# Altium PCB USB_DAQ.PcbDoc (part 2 of 2)
Units mm, origin at the board's own origin, x right, y up, seen from the top; angles counter-clockwise.
Board outline 56.61 x 82.66 mm, 2 copper layers (Top Layer, Bottom Layer), stack 1.571 mm thick; 167 components, 107 nets, 512 pads, 180 vias.
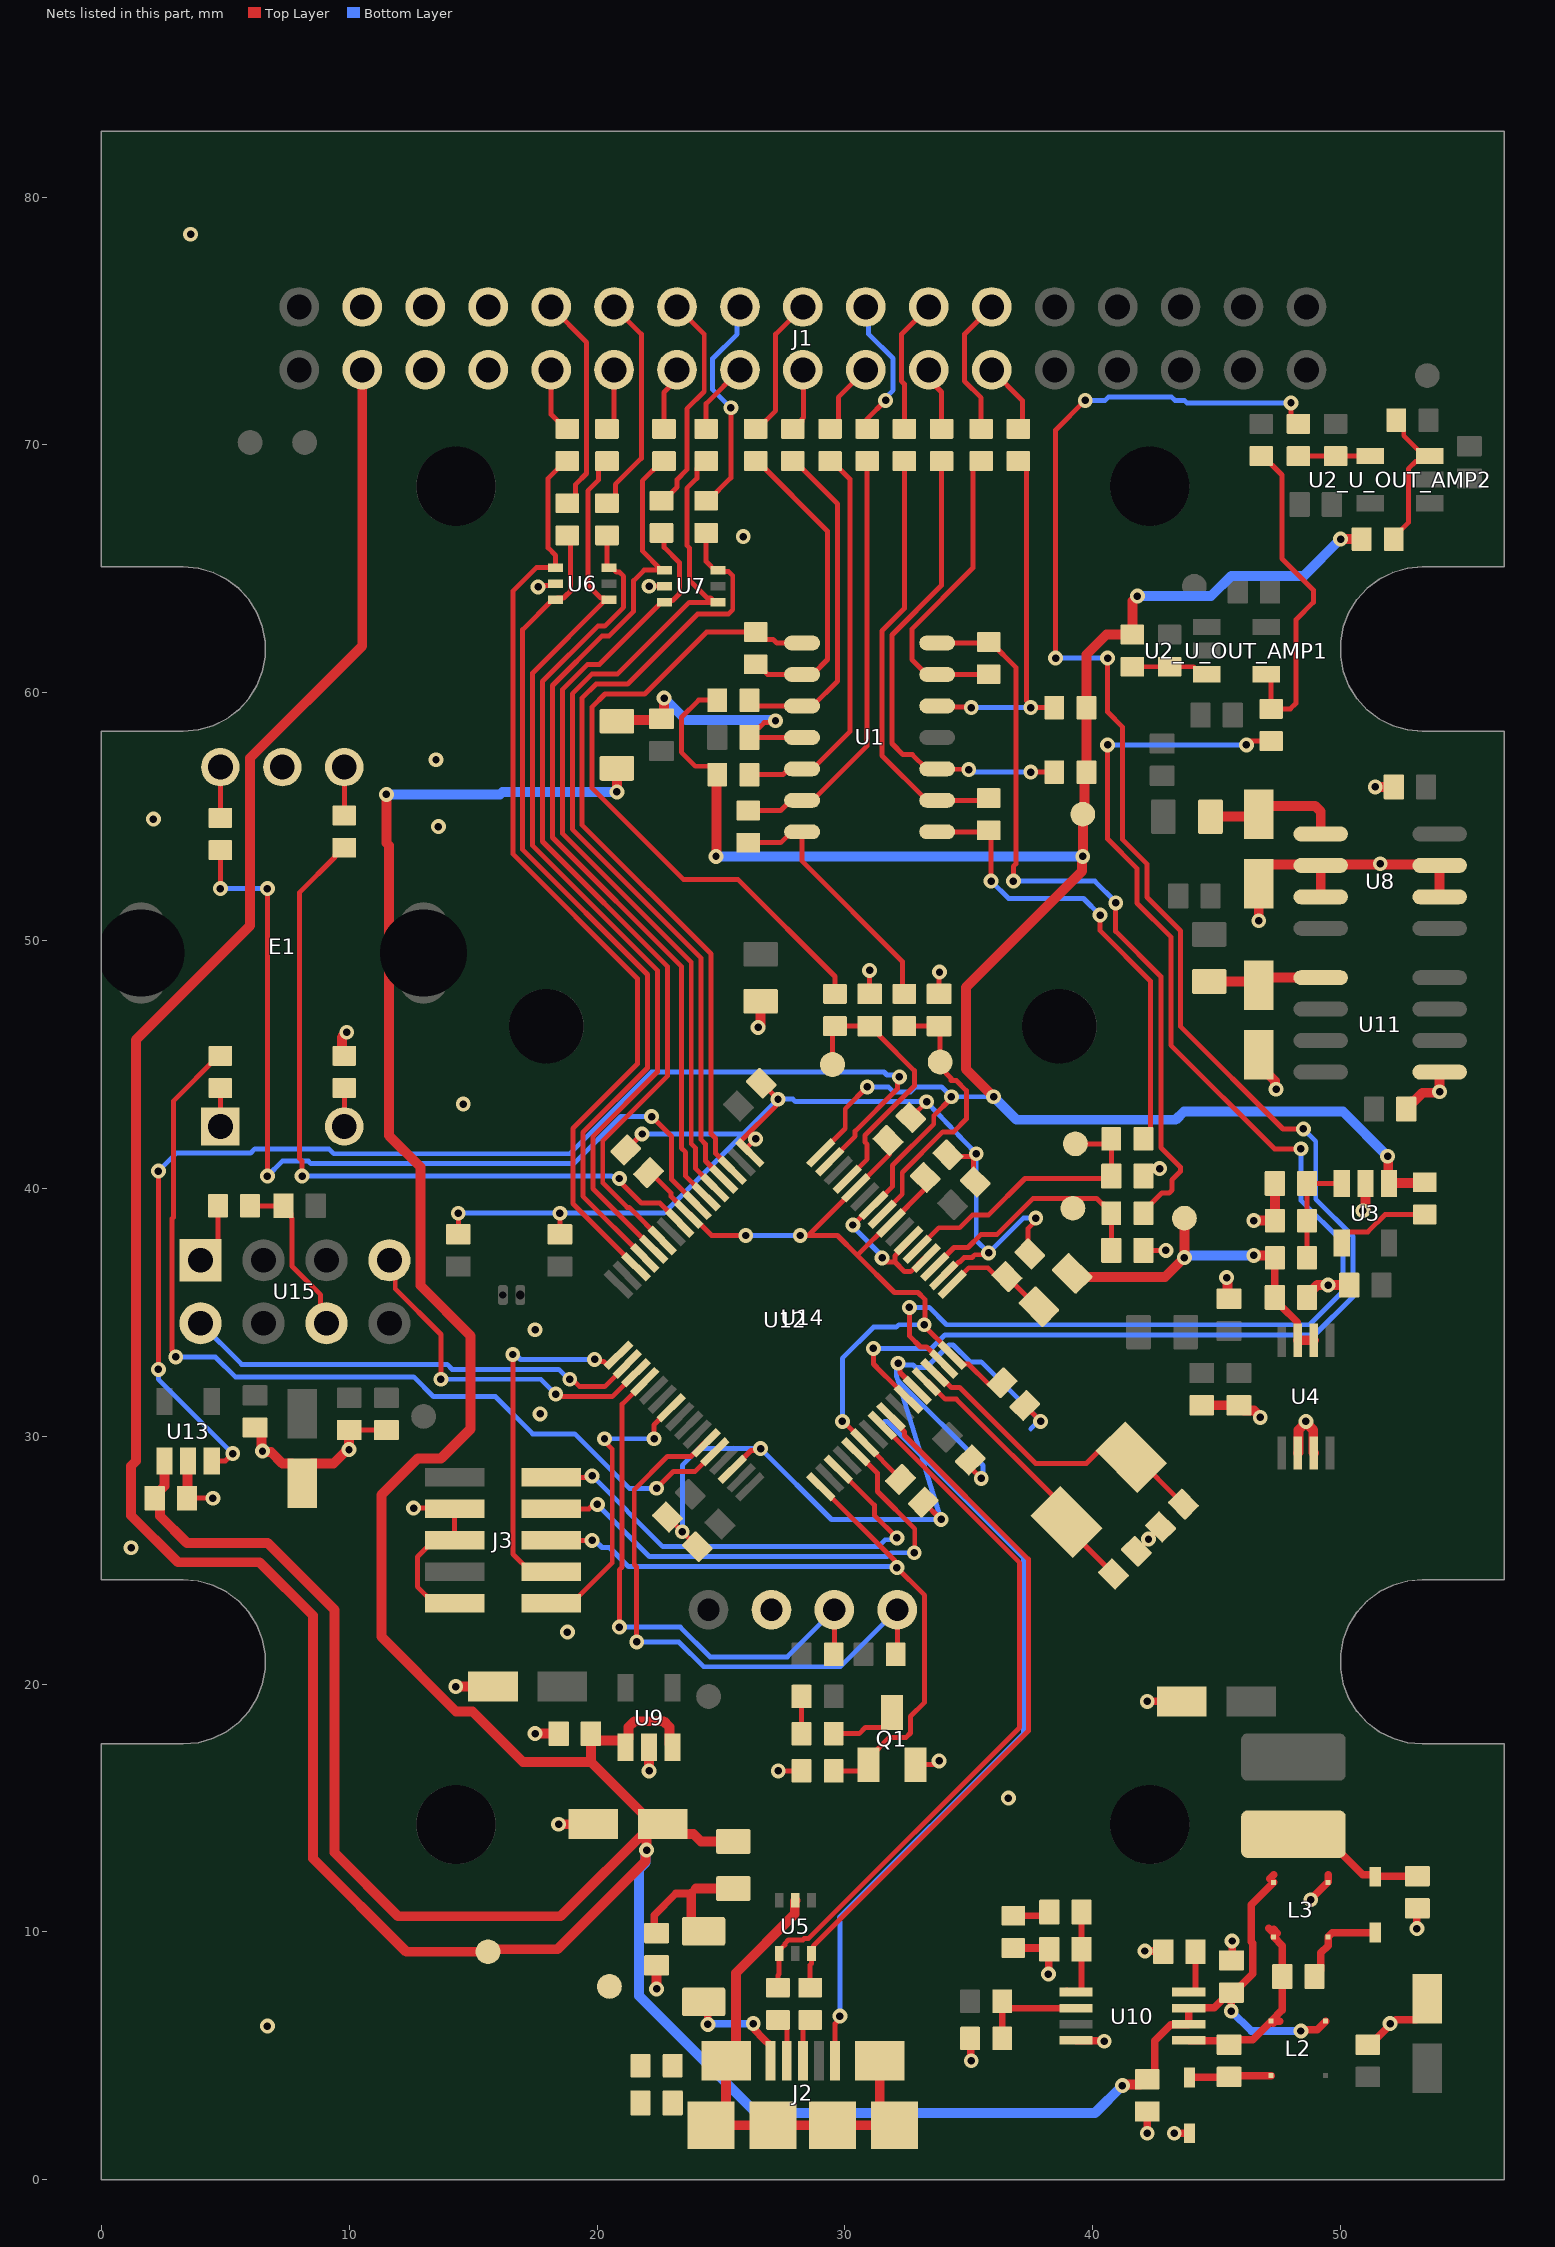
[diagram p2: the nets of this part, all layers, seen from the top]

## Via types
v1: diameter 0.6, hole 0.3, Top Layer to Bottom Layer, tented both sides, 180 vias

## Nets (pads, with @x,y where several pads share a name; then routed paths per layer and width w, separated by ;. In a path a pad name is that pad's centre, name@x,y a point inside that pad or via, vN(x,y) a via of type N, cw(c..) or ccw(c..) an arc to the next point about the centre after c; other vN are vias at no path point) (continued)
BTN: R49.2 U12.44 | length 37.7
  Top Layer w0.2: v1(3,33.2) 3,33.308 2.85,33.458 2.85,38.779 2.9,38.829 2.9,43.525 4.725,45.35 R49.2@4.8,45.35 ; v1@22.508,27.9 v1(22.4,27.9) 23.086,28.586 23.555,28.586 23.961,28.586 U12.44@24.754,29.379
  Bottom Layer w0.2: v1(3,33.2) 4.6,33.2 5.4,32.4 12.6,32.4 13.4,31.6 15.9,31.6 17.4,30.1 19.1,30.1 21.3,27.9 v1(22.4,27.9)
D+: J2.3 R41.1 | length 1.8
  Top Layer w0.203: J2.3@28.306,4.8 28.306,6.155 R41.1@28.6,6.45
D-: J2.2 R40.1 | length 1.8
  Top Layer w0.203: R40.1@27.3,6.45 27.357,6.45 27.656,6.152 J2.2@27.656,4.8
DAC_OUT_U_OUT_AMP1: R14_U_OUT_AMP1.1 U12.63 | length 54.6
  Top Layer w0.2: v1(32.6,35.2) 32.6,34.051 33.051,33.6 33.296,33.6 U12.63@33.982,32.915 ; v1(40.6,57.9) 40.6,54.1 41.783,52.917 41.783,51.517 43.15,50.15 43.15,45.784 47.334,41.6 v1(48.4,41.6) ; v1(46.2,57.9) 46.35,58.05 R14_U_OUT_AMP1.1@47.2,58.05
  Bottom Layer w0.2: v1(32.6,35.2) 33.4,35.2 34.1,34.5 48.749,34.5 50.1,35.851 50.1,37.822 48.4,39.522 v1(48.4,41.6) ; v1(40.6,57.9) v1(46.2,57.9)
DAC_OUT_U_OUT_AMP2: R14_U_OUT_AMP2.1 U12.59 | length 75.6
  Top Layer w0.2: v1(31.151,33.549) 31.151,32.916 31.473,32.595 31.895,32.173 U12.59@32.567,31.5 ; v1(38.5,61.4) 38.5,70.6 v1(39.7,71.8) ; v1(40.6,61.4) 40.6,59.224 41.209,58.615 41.209,54.075 42.183,53.101 42.183,51.757 43.55,50.39 43.55,46.526 47.676,42.4 v1(48.5,42.4) ; v1(48,71.7) 48,71.15 R14_U_OUT_AMP2.1@48.3,70.85
  Bottom Layer w0.2: v1(31.151,33.549) 33.497,33.549 34.034,34.085 48.951,34.085 50.5,35.634 50.5,38.066 49,39.566 49,41.9 v1(48.5,42.4) ; v1(38.5,61.4) v1(40.6,61.4) ; v1(39.7,71.8) 40.5,71.8 40.63,71.93 41.399,71.93 41.4,71.931 43.186,71.931 43.317,71.8 43.7,71.8 43.8,71.7 v1(48,71.7)
ENC_A: R48.1 U12.23 | length 36
  Top Layer w0.2: v1(4.8,52.1) R48.1@4.8,53.65 ; v1(6.7,40.5) v1(6.7,52.1) ; v1(22.2,42.9) 23.001,42.099 23.001,40.365 24.047,39.319 U12.23@24.047,39.314
  Bottom Layer w0.2: v1(4.8,52.1) v1(6.7,52.1) ; v1(6.7,40.5) 7.3,41.1 8.349,41.1 8.449,41 19.066,41 20.966,42.9 v1(22.2,42.9)
ENC_B: R50.1 U12.25 | length 30.2
  Top Layer w0.2: v1(8.1,40.5) 8.1,41.1 8,41.2 8,51.95 9.425,53.375 9.425,53.45 9.725,53.75 R50.1@9.8,53.75 ; v1(20.9,40.4) 20.9,40.3 21.786,39.414 22.533,39.414 U12.25@23.34,38.607
  Bottom Layer w0.2: v1(8.1,40.5) 20.583,40.5 20.606,40.477 20.823,40.477 v1(20.9,40.4)
FB: R43.2 R44.2 U10.2 | length 4.6
  Top Layer w0.254: R44.2@36.35,5.7 R43.2@36.35,7.198 ; R43.2@36.35,7.2 R43.2@36.35,7.198 ; U10.2@39.325,6.925 36.623,6.925 R43.2@36.35,7.198
GND: C4.2 C5.2 C6.2 C7.2 C8.1 C9.2 C10.2 C11.2 C12.2 C13.1 C14.2 C15.1 C16.2 C18.2 C19.1 C20.2 C21.2 C24.2 C25.2 C26.2 C27.2 C28.2 C29.2 C31.2 C32.2 C33.1 C35.2 C36.2 C37.2 C38.2 C39.2 C40.2 C41.2 C42.2 C44.2 C45.2 C46.2 C47.2 C48.2 C49.2 C50.2 C51.2 C52.2 C53.2 C54.1 C55.1 C57.2 D2.2 E1.C FB4.1 J1.4 J1.5 J1.6 J1.7 J1.8 J2.5 J3.3 J3.5 J3.9 L3.4 Q1.2 R31.1 R42.1 R44.1 R45.1 R51.2 R52.1 R54.1 TP14.1 U3.2 U4.2 U4.3 U6.2 U7.2 U8.2 U8.3 U8.6 U8.7 U9.2 U10.4 U11.5 U12.2 U12.17 U12.46 U12.60 U13.2 U14.2 U15.1 | length 207.9
  Top Layer w0.2: U13.2@3.5,29 3.475,28.975 3.45,28.95 C40.2@3.45,27.5 v1(4.5,27.5) ; U15.1@4,37.1 4.7,37.8 R52.1@4.7,39.3 ; C39.2@7.7,27.7 C39.2@8.1,28.1 ; C39.2@8.1,28.5 8.5,28.9 8.6,29 9.47,29 9.525,29 v1(9.989,29.464) 9.989,30.239 9.995,30.245 C55.1@10,30.25 C54.1@11.5,30.25 ; v1(12.6,27.1) 14.22,27.1 J3.3@14.25,27.07 J3.5@14.25,25.8 13.42,25.8 12.75,25.13 12.75,23.93 13.42,23.26 J3.9@14.25,23.26 J3.9@14.533,23.26 ; C51.2@14.4,38.15 v1(14.4,39) ; J3.9@14.803,23.53 J3.9@14.533,23.26 ; J3.9@14.948,23.53 14.678,23.26 J3.9@14.533,23.26 ; v1(17.624,64.275) 17.686,64.338 18.263,64.338 U6.2@18.325,64.4 ; C52.2@18.5,38.15 v1(18.5,39) ; C45.2@21.155,41.555 21.174,41.555 v1(21.815,42.196) ; v1(22.1,64.3) U7.2@22.725,64.3 ; C38.2@22.84,26.74 22.843,26.74 v1(23.439,26.145) ; v1@23.436,26.145 C35.2@24.04,25.54 ; U12.46@25.461,28.672 26.213,29.423 26.523,29.423 v1(26.6,29.5) ; U12.17@26.168,41.435 U12.17@25.987,41.616 ; v1(26.4,42) 26.016,41.616 U12.17@25.987,41.616 ; C36.2@26.622,44.243 26.657,44.243 v1(27.3,43.6) 27.223,43.523 27.223,43.339 25.779,41.895 25.779,41.824 U12.17@25.987,41.616 ; v1(27.313,16.497) 27.316,16.5 R54.1@28.25,16.5 ; J2.5@29.606,4.8 29.606,6.297 29.8,6.492 v1(29.8,6.6) ; C5.2@31,47.85 v1(31,48.8) ; v1(32.149,32.949) 32.225,32.872 32.225,32.572 32.921,31.876 U12.60@32.921,31.854 ; C47.2@32.66,42.86 v1(33.3,43.5) ; Q1.2@32.85,16.75 33.65,16.75 v1(33.8,16.9) ; C46.2@33.16,27.34 33.183,27.34 v1(33.88,26.643) ; C7.2@33.8,47.85 33.8,48.711 v1(33.819,48.73) ; U12.2@33.982,36.485 34.052,36.485 34.6,37.033 34.633,37.033 34.814,37.214 35.131,37.214 35.241,37.323 35.723,37.323 v1(35.8,37.4) ; C44.2@34.16,41.36 34.223,41.296 35.088,41.296 35.192,41.4 v1(35.3,41.4) 35.3,41.292 35.196,41.188 35.196,40.323 C42.2@35.26,40.26 ; C37.2@35.06,29.04 35.06,28.74 v1(35.5,28.3) ; C48.2@37.26,31.24 v1(37.9,30.6) ; C53.2@37.46,37.36 37.396,37.423 37.396,38.388 37.7,38.692 v1(37.7,38.8) ; C50.2@41.76,25.36 v1(42.25,25.85) C49.2@42.74,26.34 ; C6.2@42.05,37.5 v1(42.954,37.5) ; C4.2@42.05,40.5 42.35,40.8 v1(42.7,40.8)
  Top Layer w0.305: C21.2@19.841,14.343 C21.2@19.852,14.354 ; R44.1@35.05,5.7 35.075,5.675 35.075,4.825 v1(35.1,4.8) ; R45.1@36.8,9.35 38.2,9.35 C31.2@38.25,9.3 38.232,9.282 38.232,8.318 v1(38.214,8.3) ; U10.4@39.325,5.625 39.344,5.606 40.445,5.606 v1(40.464,5.587) ; v1(42.106,9.23) 42.82,9.23 C29.2@42.85,9.2 ; v1(42.201,1.877) 42.201,2.749 C20.2@42.2,2.75 ; v1(42.2,19.3) C24.2@43.6,19.3 ; v1(43.291,1.878) v1(43.291,1.878) 43.899,1.876 D2.2@43.9,1.875 ; C15.1@45.6,8.85 45.623,8.873 v1(45.623,9.633) ; v1(48.8,11.3) 48.8,11.326 49.5,12.026 49.5,12.3 ; C18.2@51.1,5.45 51.19,5.45 52,6.26 v1(52,6.3) 52.08,6.3 52.232,6.452 53.052,6.452 53.5,6.9 C19.1@53.5,7.3 ; v1(53.082,10.135) 53.082,10.932 C25.2@53.1,10.95
  Top Layer w0.4: C40.2@3.45,27.5 3.475,27.525 U13.2@3.475,28.975 ; C41.2@6.2,30.35 6.252,30.35 6.462,30.14 v1@6.462,29.438 ; v1(6.5,29.4) v1@6.538,29.362 ; v1@6.587,29.362 v1@6.538,29.362 ; C39.2@8.1,28.1 8.1,28.5 7.7,28.9 7.3,28.9 6.838,29.362 v1@6.538,29.362 ; C39.2@8.5,28.9 9.37,28.9 9.47,29 9.935,29.464 v1(9.989,29.464) 9.995,29.47 C55.1@9.995,30.245 ; R51.2@9.8,45.35 9.7,45.45 9.7,46.1 v1(9.9,46.3) ; v1(14.3,19.9) C27.2@15.8,19.9 ; v1(17.5,18) C28.2@18.45,18 ; v1(18.448,14.343) C21.2@19.841,14.343 ; v1(22.1,16.5) U9.2@22.1,17.45 ; v1(22.4,7.7) C57.2@22.4,8.65 ; v1(26.5,46.5) 26.6,46.6 FB4.1@26.6,47.55 ; C10.2@44.4,31.25 C11.2@45.9,31.25 46.11,31.04 46.506,31.04 46.761,30.785 v1(46.761,30.761) ; v1(45.4,36.4) 45.438,36.362 45.438,35.612 C26.2@45.5,35.55 ; v1(46.5,38.7) R31.1@47.35,38.7 C9.2@47.35,40.2 ; C33.1@46.7,45.4 46.7,45 47.362,44.338 47.362,44.038 v1(47.4,44) ; v1(46.7,50.8) C16.2@46.7,52.3 46.7,52.665 47.1,53.065 U8.2@49.2,53.065 ; U4.2@48.275,29.325 48.3,29.35 48.3,30.246 v1@48.6,30.546 ; v1(48.6,30.6) v1@48.6,30.546 ; C12.2@48.65,35.6 48.65,35.69 49.06,36.1 v1(49.5,36.1) C8.1@50.35,36.1 ; U4.3@48.925,29.325 48.9,29.35 48.9,30.246 v1@48.6,30.546 ; U8.3@49.2,51.765 U8.2@49.2,53.035 49.232,53.067 51.567,53.067 v1(51.6,53.1) 51.633,53.067 53.968,53.067 U8.7@54,53.035 U8.6@54,51.765 ; v1(50.9,39.1) 51,39.2 U3.2@51,40.2 ; v1(51.4,56.2) C14.2@52.15,56.2 ; C32.2@52.65,43.2 52.65,43.29 52.86,43.5 52.95,43.5 53.312,43.862 53.962,43.862 v1(54,43.9) U11.5@54,44.695
  Bottom Layer w0.2: v1(14.4,39) v1(18.5,39) 22.7,39 25.896,42.196 ; v1(21.815,42.196) 25.896,42.196 ; v1(23.439,26.145) 23.439,28.83 24.108,29.5 v1(26.6,29.5) 29.457,26.643 v1(33.88,26.643) 33.08,29.22 ; v1(29.8,6.6) 29.8,10.4 29.783,10.417 29.783,10.583 37.2,18 37.2,25.1 33.08,29.22 ; 31.6,30.6 31.7,30.6 33.08,29.22 ; v1@33.292,43.492 v1(35.3,41.4) 35.3,37.902 35.8,37.402 v1(35.8,37.4) 37.2,38.8 v1(37.7,38.8) ; v1(33.3,43.5) 28,43.5 27.9,43.6 v1(27.3,43.6) 25.896,42.196 ; v1(35.5,28.3) 35.576,28.376 35.576,28.824 32.135,32.265 ; 37.5,30.3 37.8,30.6 v1(37.9,30.6) 35.5,33 35.05,33 34.365,33.685 34.199,33.685 33.287,32.773 32.86,32.773 32.749,32.884 32.316,32.884 32.2,33 32.074,32.874 32.074,32.491 32.083,32.432 32.135,32.265 ; 32.135,32.265 33.08,29.22
  other v1: 6.7,6.2 36.6,15.4 18.8,22.1 1.2,25.5 17.7,30.9 17.5,34.3 14.6,43.4 13.6,54.6 2.1,54.9 13.5,57.3 25.9,66.3 3.6,78.5
IN1_N: J1.23 R19.1 | length 3
  Top Layer w0.2: J1.23@35.926,73.03 37.165,71.791 37.165,70.815 R19.1@37,70.65
IN1_P: J1.24 R15.1 | length 5.7
  Top Layer w0.2: R15.1@35.5,70.65 35.5,71.9 34.826,72.574 34.826,74.47 J1.24@35.926,75.57
IN2_N: J1.21 R4.1 | length 2.6
  Top Layer w0.2: J1.21@33.386,73.03 33.386,72.651 33.9,72.137 R4.1@33.9,70.65
IN2_P: J1.22 R2.1 | length 5.4
  Top Layer w0.2: R2.1@32.4,70.65 32.4,72.46 32.286,72.574 32.286,74.47 J1.22@33.386,75.57
IN3_N: J1.19 R24.1 | length 3
  Top Layer w0.2: R24.1@29.4,70.65 29.435,70.65 29.735,70.95 29.735,71.92 J1.19@30.846,73.03
IN3_P: J1.20 R21.1 | length 5.8
  Top Layer w0.2: R21.1@30.9,70.65 30.9,71.055 v1(31.641,71.796)
  Bottom Layer w0.2: J1.20@30.846,75.57 30.961,75.454 30.961,74.47 31.946,73.486 31.946,72.208 31.641,71.904 v1(31.641,71.796)
IN4_N: J1.17 R10.1 | length 2.6
  Top Layer w0.2: R10.1@27.9,70.65 27.975,70.65 28.275,70.95 28.275,71.05 28.335,71.11 28.335,73 J1.17@28.306,73.03
IN4_P: J1.18 R7.1 | length 5.8
  Top Layer w0.2: R7.1@26.4,70.65 26.475,70.65 27.206,71.381 27.206,74.47 J1.18@28.306,75.57
JTAG_RST: J3.10 U12.39 | length 11.8
  Top Layer w0.2: J3.10@18.15,23.26 18.98,23.26 20.613,24.893 20.613,29.479 20.3,29.792 v1(20.3,29.9) ; v1(22.3,29.9) 22.3,30.461 U12.39@22.986,31.147
  Bottom Layer w0.2: v1(20.3,29.9) v1(22.3,29.9)
JTAG_TCK: J3.4 U12.53 | length 20.8
  Top Layer w0.2: J3.4@18.15,27.07 19.67,27.07 19.9,27.3 19.961,27.3 v1(20.013,27.249) ; U12.53@30.446,29.379 31.314,28.511 31.314,27.772 32.819,26.267 32.819,25.319 v1(32.8,25.3)
  Bottom Layer w0.2: v1(20.013,27.249) 22.117,25.145 31.696,25.145 31.851,25.3 v1(32.8,25.3)
JTAG_TDI: J3.8 U12.33 | length 14.5
  Top Layer w0.2: v1(16.6,33.3) 16.6,25.25 17.32,24.53 J3.8@18.15,24.53 ; v1(19.9,33.1) 19.977,33.023 20.261,33.023 20.405,32.879 20.476,32.879 U12.33@20.865,33.268
  Bottom Layer w0.2: v1(16.6,33.3) 16.708,33.3 16.908,33.1 v1(19.9,33.1)
JTAG_TDO: J3.6 Q1.1 R54.2 U12.49 | length 30.3
  Top Layer w0.2: J3.6@18.15,25.8 v1(19.8,25.8) ; U12.49@29.032,27.965 32.023,24.973 32.023,24.777 33.216,23.584 33.216,19.266 32.65,18.7 32.65,18.026 32.474,17.85 31.8,17.85 30.95,17 Q1.1@30.95,16.75 30.926,16.726 30.926,16.5 R54.2@29.55,16.5
  Bottom Layer w0.2: v1(19.8,25.8) 19.908,25.8 20.199,25.509 20.499,25.509 21.264,24.745 32.055,24.745 v1(32.1,24.7)
JTAG_TMS: J3.2 U12.51 | length 19.1
  Top Layer w0.2: J3.2@18.15,28.34 19.64,28.34 19.7,28.4 v1(19.8,28.4) ; U12.51@29.739,28.672 31.191,27.22 31.191,26.809 v1(32.1,25.9)
  Bottom Layer w0.2: v1(19.8,28.4) 22.655,25.545 31.345,25.545 31.623,25.823 32.023,25.823 v1(32.1,25.9)
NetC9_1: C9.1 R30.1 R31.2 U3.3 | length 4.4
  Top Layer w0.2: R30.1@48.65,37.2 R31.2@48.65,38.7 C9.1@48.65,40.2 U3.3@50.05,40.2
NetC16_1: C16.1 FB5.1 U8.1 | length 5.6
  Top Layer w0.4: FB5.1@44.75,55 46.6,55 47.039,55.439 48.966,55.439 49.2,55.205 U8.1@49.2,54.305
NetC22_2: C22.2 D2.1 L2.3 | length 3.3
  Top Layer w0.305: D2.1@43.9,4.125 43.913,4.137 45.487,4.137 C22.2@45.5,4.125 ; C22.2@45.5,4.15 45.55,4.2 L2.3@47.2,4.2
NetC23_2: C23.2 D1.1 L3.3 | length 3.8
  Top Layer w0.305: C23.2@48.95,8.2 49.208,8.458 49.208,9.157 49.5,9.45 L3.3@49.5,9.8 49.675,9.975 D1.1@51.4,9.975
NetC25_1: C25.1 D1.2 L5.1 | length 5.7
  Top Layer w0.305: L5.1@48.1,13.945 49.255,13.945 50.896,12.304 51.327,12.304 51.4,12.231 D1.2@51.4,12.225 ; D1.2@51.425,12.25 C25.1@53.1,12.25
NetC29_1: C29.1 U10.8 | length 1.9
  Top Layer w0.254: U10.8@43.875,7.575 44.102,7.575 44.15,7.623 C29.1@44.15,9.2
NetC30_1: C30.1 C31.1 U10.1 | length 3.8
  Top Layer w0.254: U10.1@38.95,7.623 38.998,7.575 U10.1@39.325,7.575 39.502,7.575 39.55,7.623 C31.1@39.55,9.3 C30.1@39.55,10.8
NetC30_2: C30.2 R45.2 | length 1.8
  Top Layer w0.254: R45.2@36.8,10.65 38.1,10.65 C30.2@38.25,10.8 38.2,10.75 38.2,10.65 C30.2@38.25,10.6
NetC33_2: C33.2 FB6.1 U11.1 | length 4.7
  Top Layer w0.4: FB6.1@44.7,48.35 46.55,48.35 C33.2@46.7,48.2 47.005,48.505 U11.1@49.2,48.505
NetC49_1: C49.1 U12.62 Y2.1 | length 12.6
  Top Layer w0.2: U12.62@33.628,32.561 33.699,32.561 34.293,31.967 34.633,31.967 37.7,28.9 39.744,28.9 40.25,29.406 41.311,29.406 41.434,29.282 41.637,29.282 C49.1@43.66,27.26
NetC50_1: C50.1 U12.61 Y2.2 | length 11.2
  Top Layer w0.2: U12.61@33.275,32.207 33.345,32.207 34.053,31.5 34.497,31.5 38.942,27.055 Y2.2@38.942,26.542 38.942,26.339 C50.1@40.84,24.44
NetC53_1: C53.1 FB2.1 U12.1 | length 4.4
  Top Layer w0.2: U12.1@34.335,36.132 35.003,36.8 35.769,36.8 36.128,36.44 C53.1@36.54,36.44 37.753,35.228 FB2.1@37.828,35.228
NetC56_1: C56.1 R52.2 U15.6 | length 6.8
  Top Layer w0.2: R52.2@6,39.3 C56.1@7.35,39.3 7.66,38.99 7.66,38.813 7.69,38.783 7.69,36.864 8.844,35.71 8.844,34.796 U15.6@9.08,34.56
NetC57_1: C57.1 F1.2 FB1.1 | length 6.2
  Top Layer w0.305: C57.1@22.4,9.95 22.3,10.05 22.3,10.671 23.179,11.55 23.8,11.55 24,11.75
  Top Layer w0.4: 23.8,11.55 23.8,10.4 24.175,10.025 F1.2@24.3,10.025 ; 24,11.75 FB1.1@25.5,11.75
NetD3_1: D3.1 R53.2 | length 1.5
  Top Layer w0.2: R53.2@28.25,18 D3.1@28.25,19.5
NetE1_1: E1.1 R49.1 | length 1.5
  Top Layer w0.2: E1.1@4.8,42.5 R49.1@4.8,44.05
NetE1_2: E1.2 R51.1 | length 1.5
  Top Layer w0.2: E1.2@9.8,42.5 R51.1@9.8,44.05
NetE1_A: E1.A R48.2 | length 2.1
  Top Layer w0.2: R48.2@4.8,54.95 E1.A@4.8,57
NetE1_B: E1.B R50.2 | length 2
  Top Layer w0.2: R50.2@9.8,55.05 E1.B@9.8,57
NetJ1_9: J1.9 R32.2 | length 2.7
  Top Layer w0.2: J1.9@18.146,73.03 18.146,71.229 18.725,70.65 R32.2@18.775,70.65
NetJ1_10: J1.10 R33.1 | length 8.9
  Top Layer w0.2: J1.10@18.146,75.57 19.575,74.141 19.575,68.849 19.135,68.409 19.135,67.95 18.835,67.65 R33.1@18.8,67.65
NetJ1_11: J1.11 R34.2 | length 2.5
  Top Layer w0.2: R34.2@20.4,70.65 20.686,70.935 J1.11@20.686,73.03
NetJ1_12: J1.12 R35.1 | length 9
  Top Layer w0.2: R35.1@20.4,67.65 20.435,67.65 20.735,67.95 20.735,68.409 21.786,69.46 21.786,74.47 J1.12@20.686,75.57
NetJ1_13: J1.13 R36.2 | length 2.6
  Top Layer w0.2: R36.2@22.7,70.65 22.7,72.126 23.226,72.651 J1.13@23.226,73.03
NetJ1_14: J1.14 R37.1 | length 9
  Top Layer w0.2: R37.1@22.6,67.75 22.675,67.75 23.225,68.3 23.225,68.599 23.625,68.999 23.625,71.455 24.326,72.156 24.326,74.47 J1.14@23.226,75.57
NetJ1_15: J1.15 R38.2 | length 2.9
  Top Layer w0.2: R38.2@24.4,70.65 24.4,71.664 J1.15@25.766,73.03
NetJ1_16: J1.16 R39.1 | length 9
  Top Layer w0.2: R39.1@24.4,67.75 24.475,67.75 25.4,68.675 v1(25.4,71.5)
  Bottom Layer w0.2: v1(25.4,71.5) 24.666,72.234 24.666,73.486 25.65,74.47 25.65,75.454 J1.16@25.766,75.57
NetQ1_3: Q1.3 R53.1 | length 2.8
  Top Layer w0.2: R53.1@29.55,18 30.575,18 30.825,18.25 31.55,18.25 31.9,18.6 Q1.3@31.9,18.85
NetR1_1: R1.1 R2.2 U1.9 | length 17.3
  Top Layer w0.2: R2.2@32.4,69.35 32.4,63.399 31.5,62.499 31.5,57.46 33.3,55.66 35.71,55.66 R1.1@35.8,55.75
NetR1_2: R1.2 R3.1 U1.8 | length 19.1
  Top Layer w0.2: U1.8@33.725,54.39 35.74,54.39 R1.2@35.8,54.45 ; R1.2@35.86,54.39 35.9,54.35 v1(35.9,52.4) ; v1(40.3,51.027) 40.3,50.4 42.333,48.367 42.333,42.283 R3.1@42.05,42
  Bottom Layer w0.2: v1(35.9,52.4) 35.908,52.4 36.608,51.7 39.627,51.7 v1(40.3,51.027)
NetR4_2: R4.2 R6.2 U1.10 | length 19.3
  Top Layer w0.2: R4.2@33.9,69.35 33.9,64.334 31.9,62.334 31.9,57.951 32.345,57.506 32.724,57.506 33.3,56.93 U1.10@33.725,56.93 33.74,56.915 34.985,56.915 v1(35,56.9) ; v1(37.5,56.8) R6.2@38.45,56.8
  Bottom Layer w0.2: v1(35,56.9) 35.1,56.8 v1(37.5,56.8)
NetR5_1: R5.1 R7.2 U1.2 | length 12.6
  Top Layer w0.2: R5.1@26.4,61.15 26.475,61.15 26.885,60.74 28.7,60.74 29.3,61.34 29.3,66.525 26.475,69.35 R7.2@26.4,69.35
NetR5_2: R5.2 R9.1 U1.1 | length 26.8
  Top Layer w0.2: U1.1@28.275,62.01 27.25,62.01 27.11,62.15 26.7,62.15 R5.2@26.4,62.45 24.422,62.45 21.922,59.95 20.32,59.95 19.8,59.43 19.8,56.151 23.492,52.46 25.69,52.46 29.6,48.55 R9.1@29.6,47.85
NetR8_U_OUT_AMP1_1: R8_U_OUT_AMP1.1 R11_U_OUT_AMP1.2 U2_U_OUT_AMP1.3 | length 3.1
  Top Layer w0.2: R11_U_OUT_AMP1.2@41.6,61.05 R8_U_OUT_AMP1.1@43.1,61.05 44.075,61.05 44.375,60.75 U2_U_OUT_AMP1.3@44.6,60.75
NetR8_U_OUT_AMP2_1: R8_U_OUT_AMP2.1 R11_U_OUT_AMP2.2 U2_U_OUT_AMP2.3 | length 6.3
  Top Layer w0.2: R11_U_OUT_AMP2.2@52.15,66.2 52.15,66.275 52.738,66.863 52.738,69.037 53.026,69.325 53.375,69.325 U2_U_OUT_AMP2.3@53.6,69.55 53.375,69.55 52.55,70.375 52.55,70.7 R8_U_OUT_AMP2.1@52.25,71
NetR10_2: R10.2 R13.2 U1.3 | length 13.7
  Top Layer w0.2: R13.2@26.15,59.7 26.38,59.47 28.7,59.47 29.7,60.47 29.7,67.625 27.975,69.35 R10.2@27.9,69.35
NetR12_1: R12.1 R15.2 U1.13 | length 12.5
  Top Layer w0.2: R15.2@35.5,69.35 35.492,69.35 35.192,69.05 35.165,69.05 35.165,65.033 32.7,62.568 32.7,61.34 33.3,60.74 35.79,60.74 R12.1@35.8,60.75
NetR12_2: R12.2 R16.1 U1.14 | length 31.2
  Top Layer w0.2: U1.14@33.725,62.01 35.915,62.01 36.9,61.025 36.9,53.1 36.8,53 v1(36.8,52.4) ; v1(40.928,51.522) 40.928,50.372 42.75,48.55 42.75,41.65 43.543,40.857 43.543,40.691 43.2,40.349 43.2,39.93 43.083,39.813 42.788,39.813 42.05,39.075 R16.1@42.05,39
  Bottom Layer w0.2: v1(36.8,52.4) 40.085,52.4 40.928,51.557 v1(40.928,51.522)
NetR14_U_OUT_AMP1_2: R14_U_OUT_AMP1.2 R17_U_OUT_AMP1.2 U2_U_OUT_AMP1.4 | length 13.8
  Top Layer w0.2: R17_U_OUT_AMP1.2@46.775,69.65 47.64,68.785 47.64,65.409 48.9,64.149 48.9,63.651 48.2,62.951 48.2,59.575 47.975,59.35 R14_U_OUT_AMP1.2@47.2,59.35 47.2,60.55 U2_U_OUT_AMP1.4@47,60.75
NetR14_U_OUT_AMP2_2: R14_U_OUT_AMP2.2 R17_U_OUT_AMP2.2 U2_U_OUT_AMP2.4 | length 2.9
  Top Layer w0.2: R14_U_OUT_AMP2.2@48.3,69.55 U2_U_OUT_AMP2.4@51.2,69.55
NetR18_1: R18.1 R21.2 U1.6 | length 17.4
  Top Layer w0.2: R18.1@26.1,55.25 27.411,55.25 27.821,55.66 28.7,55.66 30.9,57.86 R21.2@30.9,69.35
NetR18_2: R18.2 R22.1 U1.7 | length 10.6
  Top Layer w0.2: R18.2@26.1,53.95 27.41,53.95 27.85,54.39 U1.7@28.275,54.39 28.275,53.203 32.325,49.153 32.325,47.925 R22.1@32.4,47.85
NetR19_2: R19.2 R20.2 U1.12 | length 14.9
  Top Layer w0.2: U1.12@33.725,59.47 33.76,59.435 35.065,59.435 v1(35.1,59.4) ; R19.2@37,69.35 37.035,69.35 37.335,69.05 37.335,59.673 37.5,59.508 v1(37.5,59.4) R20.2@38.45,59.4
  Bottom Layer w0.2: v1(35.1,59.4) v1(37.5,59.4)
NetR24_2: R24.2 R26.2 U1.5 | length 16.1
  Top Layer w0.2: R26.2@26.15,56.7 27.512,56.7 27.742,56.93 28.7,56.93 30.2,58.43 30.2,68.625 29.475,69.35 R24.2@29.4,69.35
NetR28_1: R28.1 U3.4 | length 4
  Top Layer w0.2: U3.4@50.05,37.8 50.05,38.025 50.275,38.25 51.101,38.25 51.801,38.95 R28.1@53.4,38.95
OUT1_P: C6.1 R16.2 TP4.1 U12.3 | length 10.5
  Top Layer w0.2: U12.3@33.628,36.839 34.403,37.614 34.966,37.614 35.485,38.133 36.13,38.133 37.597,39.6 TP4.1@39.2,39.6 ; TP4.1@39.2,39.2 TP4.1@39.2,39.6 ; C6.1@40.75,37.5 R16.2@40.75,39.075 ; R16.2@40.75,39 R16.2@40.75,39.075 ; TP4.1@39.2,39.6 40.15,39.6 40.375,39.375 40.45,39.375 40.688,39.137 R16.2@40.75,39.075
OUT2_P: C4.1 R3.2 TP1.1 U12.5 | length 12.1
  Top Layer w0.2: U12.5@32.921,37.546 33.789,38.414 34.634,38.414 35.154,38.933 35.799,38.933 37.266,40.4 40.65,40.4 C4.1@40.75,40.5 R3.2@40.75,42 40.55,41.8 TP1.1@39.3,41.8
OUT3_P: C7.1 R22.2 TP5.1 U12.9 | length 11.2
  Top Layer w0.2: U12.9@31.507,38.96 32.314,39.767 32.314,40.645 33.955,42.286 34.386,42.286 34.9,42.8 34.9,43.949 34.501,44.348 34.279,44.348 34.279,44.45 33.844,44.885 33.844,46.506 C7.1@33.8,46.55 R22.2@32.4,46.55
OUT4_P: C5.1 R9.2 TP2.1 U12.13 | length 11.2
  Top Layer w0.2: TP2.1@29.5,45 29.5,46.45 R9.2@29.6,46.55 C5.1@31,46.55 31.09,46.55 31.4,46.24 31.4,46.15 32.8,44.75 32.8,44.131 30.814,42.145 30.814,41.863 30.9,41.777 30.9,41.182 U12.13@30.093,40.375
PIO0: R32.1 U6.1 U12.30 | length 38.3
  Top Layer w0.2: R32.1@18.7,69.35 18.7,69.325 18.025,68.65 18.025,65.849 18.325,65.549 U6.1@18.325,65.05 17.55,65.05 16.6,64.1 16.6,53.5 21.633,48.467 21.633,45.027 19.029,42.422 19.029,39.382 U12.30@21.572,36.839
PIO1: R33.2 U6.3 U12.29 | length 34.4
  Top Layer w0.2: R33.2@18.8,66.35 18.925,66.225 18.925,64.101 18.749,63.925 18.649,63.825 18.4,63.825 U6.3@18.325,63.75 18.2,63.75 17,62.55 17,53.666 22.033,48.633 22.033,44.861 19.429,42.257 19.429,39.689 U12.29@21.925,37.193
PIO2: R34.1 U6.4 U12.28 | length 38
  Top Layer w0.2: R34.1@20.3,69.35 20.065,69.115 20.065,68.591 19.625,68.151 19.625,64.351 20.051,63.925 20.151,63.825 20.275,63.825 U6.4@20.35,63.75 ; U6.4@20.475,63.75 U6.4@20.35,63.75 ; U12.28@22.279,37.546 19.829,39.997 19.829,42.091 22.433,44.696 22.433,48.798 17.4,53.831 17.4,60.8 U6.4@20.35,63.75
PIO3: R35.2 U6.6 U12.27 | length 34.6
  Top Layer w0.2: R35.2@20.4,66.35 20.4,65.125 U6.6@20.475,65.05 20.6,65.05 20.775,64.875 20.899,64.875 21.075,64.699 21.075,63.451 20.311,62.686 20.028,62.686 17.8,60.459 17.8,53.997 22.833,48.964 22.833,44.53 20.229,41.925 20.229,40.223 21.214,39.238 21.295,39.238 U12.27@22.633,37.9
PIO4: R36.1 U7.1 U12.22 | length 35.5
  Top Layer w0.2: R36.1@22.7,69.35 22.625,69.35 21.825,68.55 21.825,65.725 U7.1@22.6,64.95 ; U7.1@22.725,64.95 U7.1@22.6,64.95 ; U12.22@24.4,39.667 23.576,40.491 23.576,41.458 23.401,41.634 23.401,48.962 18.2,54.163 18.2,60.293 20.193,62.286 20.476,62.286 21.475,63.285 21.475,64.523 21.902,64.95 U7.1@22.6,64.95
PIO5: R37.2 U7.3 U12.21 | length 31.7
  Top Layer w0.2: R37.2@22.6,66.45 22.707,66.343 22.707,65.867 23.325,65.249 23.325,64.001 23.049,63.725 22.8,63.725 U7.3@22.725,63.65 22.6,63.65 20.1,61.15 19.623,61.15 18.6,60.127 18.6,54.328 23.801,49.128 23.801,41.799 23.976,41.624 23.976,40.799 U12.21@24.754,40.021
PIO6: R38.1 U7.4 U12.20 | length 36.1
  Top Layer w0.2: R38.1@24.4,69.35 24.325,69.35 24.025,69.05 24.025,68.651 23.625,68.251 23.625,65.949 23.725,65.849 23.725,64.551 24.451,63.825 24.575,63.825 U7.4@24.75,63.65 ; U7.4@24.875,63.65 U7.4@24.75,63.65 ; U12.20@25.107,40.375 24.376,41.106 24.376,41.789 24.201,41.965 24.201,49.293 19,54.494 19,59.962 19.788,60.75 20.819,60.75 23.719,63.65 U7.4@24.75,63.65
PIO7: R39.2 U7.6 U12.19 | length 33.1
  Top Layer w0.2: R39.2@24.4,66.45 24.4,65.3 U7.6@24.812,64.888 ; U7.6@24.875,64.95 U7.6@24.812,64.888 ; U12.19@25.461,40.728 24.776,41.413 24.776,42.024 24.601,42.199 24.601,49.459 19.4,54.66 19.4,59.796 19.954,60.35 21.226,60.35 24.051,63.175 25.299,63.175 25.475,63.351 25.475,64.725 25.312,64.888 U7.6@24.812,64.888
SCL: R47.1 U12.36 U14.3 | length 22.1
  Top Layer w0.2: v1(20.9,22.3) 20.9,24.614 21.013,24.727 21.013,31.295 U12.36@21.925,32.207 ; R47.1@29.55,21.2 29.576,21.226 U14.3@29.576,23
  Bottom Layer w0.2: v1(20.9,22.3) 23.358,22.3 24.558,21.1 27.676,21.1 U14.3@29.576,23
SDA: R46.1 U12.43 U14.4 | length 23.6
  Top Layer w0.2: v1(21.6,21.7) 21.6,24.724 21.5,24.824 21.5,27.849 22.837,29.185 23.782,29.185 24.33,29.733 U12.43@24.4,29.733 ; R46.1@32.05,21.2 32.116,21.266 U14.4@32.116,23
  Bottom Layer w0.2: v1(21.6,21.7) 23.3,21.7 24.3,20.7 29.816,20.7 U14.4@32.116,23
SHLD: C13.2 J2.6 J2.7 R42.2 U5.2 | length 20.7
  Top Layer w0.4: U5.2@28,11.275 27.975,11.25 27.975,10.72 25.6,8.345 25.6,5.194 J2.6@25.206,4.8 25.206,2.8 J2.7@24.606,2.2 J2.7@27.106,2.2 J2.7@29.506,2.2 J2.7@32.006,2.2 31.405,2.8 J2.6@31.405,4.8
SW: C22.1 C23.1 L2.2 L3.2 U10.5 | length 8.2
  Top Layer w0.305: U10.5@43.875,5.625 43.898,5.602 45.348,5.602 C22.1@45.5,5.45 45.707,5.657 46.457,5.657 L2.2@47.2,6.4 47.65,6.85 C23.1@47.65,8.2 47.65,9.45 L3.2@47.3,9.8 ; 47.1,10.15 47.225,10.025 ; L2.2@47.288,6.312 47.375,6.4 47.55,6.4 ; 47.3,10.1 47.45,9.95
UART_0_RX: U12.35 U15.7 | length 14.2
  Top Layer w0.2: U15.7@11.62,37.1 11.856,36.864 11.856,35.95 13.7,34.106 v1(13.7,32.3) ; v1(18.334,31.7) 18.411,31.623 18.577,31.623 18.6,31.6 20.611,31.6 U12.35@21.572,32.561
  Bottom Layer w0.2: v1(13.7,32.3) 17.734,32.3 v1(18.334,31.7)
UART_0_TX: U12.34 U15.2 | length 18.7
  Top Layer w0.2: v1(18.9,32.3) 19,32.3 19.3,32 20.304,32 U12.34@21.218,32.915
  Bottom Layer w0.2: U15.2@4,34.56 5.66,32.9 13.949,32.9 14.149,32.7 18.451,32.7 18.851,32.3 v1(18.9,32.3)
USB_N: R40.2 U5.4 U12.56 | length 29.5
  Top Layer w0.2: R40.2@27.3,7.75 27.3,8.25 27.35,8.3 27.35,9.25 27.575,9.475 27.575,9.529 27.721,9.675 28.301,9.675 28.351,9.725 28.525,9.725 37.05,18.25 37.05,24.896 U12.56@31.507,30.44
USB_P: R41.2 U5.6 U12.57 | length 29
  Top Layer w0.2: R41.2@28.6,7.75 28.6,8.675 28.65,8.725 U5.6@28.65,9.125 28.725,9.2 28.725,9.43 37.4,18.105 37.4,25.041 32.408,30.034 32.408,30.175 31.86,30.723 U12.57@31.86,30.793
VBUS: F1.1 J2.1 | length 4.6
  Top Layer w0.305: F1.1@24.3,7.175 24.471,7.004 v1(24.471,6.271) ; v1(26.3,6.3) 26.356,6.244 26.356,6.044 26.702,5.698 26.708,5.698 27.006,5.4 J2.1@27.006,4.8
  Bottom Layer w0.305: v1(24.471,6.271) 24.486,6.286 26.286,6.286 v1(26.3,6.3)
VDD_CORE: C44.1 C45.1 C46.1 C47.1 C48.1 U12.8 U12.12 U12.24 U12.54 U12.64 | length 37.6
  Top Layer w0.2: C45.1@22.074,40.636 22.164,40.636 22.992,39.808 22.992,39.673 23.693,38.971 U12.24@23.693,38.96 23.764,38.96 24.624,38.1 v1(26,38.1) ; v1(28.2,38.1) 28.525,38.1 ; v1(29.9,30.6) 29.932,30.6 U12.54@30.8,29.733 32.24,28.292 C46.1@32.24,28.26 ; C47.1@31.74,41.94 31.804,41.877 31.804,41.379 28.525,38.1 ; C44.1@33.24,40.44 33.248,40.433 33.248,39.994 U12.8@31.86,38.607 31.811,38.607 30.502,37.298 ; U12.64@34.165,33.487 33.2,34.452 v1(33.2,34.5) 33.223,34.523 33.223,35.525 32.949,35.8 32,35.8 30.502,37.298 ; U12.64@34.335,33.268 34.406,33.268 34.795,32.879 34.825,32.909 34.991,32.909 35.804,32.096 36.277,32.096 C48.1@36.34,32.16 ; 28.525,38.1 29.7,38.1 30.502,37.298
  Bottom Layer w0.2: v1(26,38.1) v1(28.2,38.1) ; v1(29.9,30.6) 29.9,33.146 31.154,34.4 32.073,34.4 32.173,34.5 v1(33.2,34.5)
VREF: C12.1 FB2.2 R30.2 TP8.1 U4.6 U4.7 | length 14.6
  Top Layer w0.3: R30.2@47.35,37.2 47.35,35.95 C12.1@47.35,35.6 47.61,35.34 47.61,35.25 48.25,34.61 48.25,33.9 U4.7@48.275,33.875
  Top Layer w0.4: FB2.2@39.172,36.572 39.313,36.43 42.92,36.43 v1(43.7,37.21) TP8.1@43.7,38.8 ; v1(46.5,37.3) 47.25,37.3 R30.2@47.35,37.2 ; U4.7@48.275,33.875 U4.6@48.925,33.875
  Bottom Layer w0.4: v1(43.7,37.21) 43.754,37.21 43.844,37.3 v1(46.5,37.3)
VREF/2: R6.1 R11_U_OUT_AMP1.1 R11_U_OUT_AMP2.1 R13.1 R20.1 R26.1 R28.2 TP7.1 U3.1 U12.4 U12.6 U12.10 U12.16 | length 97.9
  Top Layer w0.2: R26.1@24.85,56.7 24.85,56.735 24.55,57.035 23.965,57.035 23.4,57.6 23.4,59 24.1,59.7 R13.1@24.85,59.7 ; U12.16@29.032,41.435 30.014,42.417 30.014,43.214 v1@30.931,44.131 ; v1(30.324,38.524) 30.344,38.524 31.134,39.314 U12.10@31.153,39.314 31.914,40.075 31.914,40.923 33.586,42.595 33.586,42.938 34.3,43.651 v1(34.3,43.7) ; v1(31.5,37.2) 31.667,37.033 32.02,37.033 ; U12.6@32.567,37.9 32.567,37.829 32.02,37.281 32.02,37.033 ; U12.4@33.275,37.193 33.204,37.193 32.656,36.645 32.408,36.645 32.02,37.033
  Top Layer w0.4: v1(24.8,53.4) 24.825,53.425 24.825,56.675 R26.1@24.85,56.7 ; v1(36,43.7) 34.879,44.821 34.879,48.114 39.562,52.797 39.562,53.362 v1(39.6,53.4) TP7.1@39.6,55.1 39.675,55.175 39.675,56.725 R6.1@39.75,56.8 R20.1@39.75,59.4 39.75,61.54 40.56,62.35 R11_U_OUT_AMP1.1@41.6,62.35 41.6,63.7 v1(41.8,63.9) ; v1(50,66.2) R11_U_OUT_AMP2.1@50.85,66.2 ; v1(51.9,41.3) 51.925,41.275 51.925,40.225 U3.1@51.95,40.2 51.975,40.225 53.375,40.225 R28.2@53.4,40.25
  Bottom Layer w0.2: v1(30.324,38.524) 30.324,38.45 31.5,37.274 v1(31.5,37.2) ; v1(30.9,44.1) 31.751,44.1 31.951,43.9 32.65,43.9 32.85,44.1 33.9,44.1 v1(34.3,43.7) v1(36,43.7)
  Bottom Layer w0.4: v1(24.8,53.4) v1(39.6,53.4) ; v1(36,43.7) 36.927,42.773 43.35,42.773 43.677,43.1 50.1,43.1 v1(51.9,41.3) ; v1(41.8,63.9) 44.777,63.9 45.597,64.72 48.52,64.72 v1(50,66.2)
VSUP: C15.2 C20.1 C21.1 C28.1 C40.1 FB1.2 FB3.1 J1.3 L2.1 L3.1 TP10.1 U9.1 U9.3 U10.6 U10.7 U13.1 | length 239.1
  Top Layer w0.305: U13.1@2.55,28.775 U13.1@2.55,29 ; C20.1@42.249,4.05 42.507,4.308 42.507,5.605 43.154,6.252 43.852,6.252 U10.6@43.875,6.275 U10.7@43.875,6.925 43.898,6.948 44.908,6.948 45.51,7.55 C15.2@45.6,7.55 ; v1(45.588,6.804) 45.588,7.538 C15.2@45.6,7.55 ; 47.15,12.15 47.3,12.3 ; L3.1@47.3,12 46.398,11.098 46.398,9.604 46.452,9.549 46.452,8.312 45.69,7.55 C15.2@45.6,7.55 ; v1(48.4,6.002) 48.456,6.059 49.059,6.059 L2.1@49.4,6.4
  Top Layer w0.4: C40.1@2.15,27.5 2.36,27.29 2.36,26.786 3.446,25.7 6.7,25.7 9.4,23 9.4,13.2 11.969,10.631 18.529,10.631 C21.1@22.252,14.354 ; C40.1@2.15,27.59 2.55,27.99 U13.1@2.55,28.775 ; J1.3@10.526,73.03 10.526,61.887 6,57.362 6,50.6 1.4,46 1.4,29 1.2,28.8 1.2,26.8 3.084,24.916 6.384,24.916 8.538,22.762 8.538,12.962 12.3,9.2 TP10.1@15.6,9.2 15.7,9.3 18.4,9.3 21.962,12.862 21.962,13.262 v1(22,13.3) C21.1@22,13.954 ; v1(11.5,55.9) 11.5,53.938 11.6,53.838 11.6,42.129 12.87,40.859 12.87,36.08 14.9,34.05 14.9,30.3 13.71,29.11 12.772,29.11 11.3,27.638 11.3,21.91 14.31,18.9 14.969,18.9 17.013,16.856 19.75,16.856 ; v1(20.8,56) FB3.1@20.8,56.95 ; U9.1@21.15,17.45 21.15,17.6 21.025,17.725 19.96,17.725 19.9,17.785 19.9,17.85 C28.1@19.75,18 19.75,16.856 ; U9.1@21.15,17.7 21.175,17.7 21.275,17.8 21.275,18.266 21.509,18.5 22.691,18.5 22.925,18.266 22.925,17.575 U9.3@23.05,17.45 ; C21.1@22.652,14.354 C21.1@22.252,14.354 ; C21.1@23.255,13.954 23.896,13.954 24.2,13.65 FB1.2@25.5,13.65 ; v1(41.2,3.8) 41.254,3.8 41.294,3.84 41.9,3.84 42.11,4.05 C20.1@42.2,4.05 ; 19.75,16.856 C21.1@22.252,14.354
  Bottom Layer w0.305: v1(45.588,6.804) 46.39,6.002 v1(48.4,6.002)
  Bottom Layer w0.4: v1(11.5,55.9) 16.081,55.9 16.181,56 v1(20.8,56) ; v1(22,13.3) 21.962,13.262 21.962,12.808 21.7,12.546 21.7,7.41 26.41,2.7 40.1,2.7 v1(41.2,3.8)
VSUPA: C1.2 C43.1 FB3.2 U1.4 | length 11.1
  Top Layer w0.2: C43.1@22.578,58.928 C43.1@22.6,58.95 ; v1(27.2,58.87) 27.123,58.793 26.743,58.793 26.55,58.6 26.46,58.6 26.15,58.29 C1.2@26.15,58.2 U1.4@28.275,58.2
  Top Layer w0.4: FB3.2@20.8,58.85 20.85,58.9 22.55,58.9 C43.1@22.578,58.928 ; C43.1@22.6,58.95 22.7,59.05 22.7,59.7 22.703,59.703 v1(22.703,59.788)
  Bottom Layer w0.4: v1(22.703,59.788) 23.591,58.9 27.17,58.9 v1(27.2,58.87)
WIFI_EN: U12.15 U13.3 | length 50
  Top Layer w0.2: v1(2.3,32.7) v1(2.3,40.7) ; U13.3@4.45,29 5,29 v1(5.3,29.3) ; U12.15@29.385,41.082 30.414,42.11 30.414,42.311 32.123,44.021 32.123,44.423 v1(32.2,44.5)
  Bottom Layer w0.2: v1(2.3,32.7) 2.3,32.3 v1(5.3,29.3) ; v1(2.3,40.7) 3.025,41.425 6.015,41.425 6.19,41.6 9.18,41.6 9.38,41.4 18.9,41.4 22.2,44.7 31.576,44.7 31.699,44.577 32.123,44.577 v1(32.2,44.5)
pads on no net: E1.SH1 E1.SH2 J2.4 J3.7 U4.4 U4.5 U5.1 U5.3 U5.5 U6.5 U7.5 U8.4 U8.5 U9.4 U11.4 U11.8 U12.11 U12.14 U12.26 U12.37 U12.38 U12.40 U12.41 U12.42 U12.48 U12.50 U12.52 U12.55 U13.4 U14.MH U15.3 U15.5

## Polygon pours and split planes (outlines as drawn)
3V3 on Top Layer "3V3_L01_P001" (solid, remove dead copper, pour order 1): 27.7,26.8 35.5,34.6 35.5,35.1 28.5,42.1 27.3,42.1 19.8,34.6
GND on Top Layer "GND_TOP" (solid, remove dead copper, pour order 5): -4,87.75 -4,-3.75 61,-3.75 61,87.75
AGND on Top Layer "AGND_TOP" (solid, remove dead copper, pour order 0): 50.659,62.5 56.6,62.5 56.6,86 27,86 27,63 24.5,63 20,58.5 20,55 25.5,49.5 46.3,49.5 46.304,49.504 46.304,53.606 50.598,57.9 50.659,57.9
SHLD on Top Layer "SHLD_L01_P004" (solid, pour order 4): 23.3,0.7 33.4,0.7 33.4,11.9 29.6,11.9 26.1,11.9 25.2,11.9 25.2,11 25.2,5.6 23.3,5.6
GND on Bottom Layer "GND_BOTTOM" (solid, remove dead copper, pour order 3): -4.5,88 -4.5,-3.5 60.5,-3.5 60.5,88
AGND on Bottom Layer "AGND_BOTTOM" (solid, remove dead copper, pour order 2): 50.659,62.5 56.6,62.5 56.6,86 27,86 27,63 24.5,63 20,58.5 20,55 25.5,49.5 40.5,49.5 40.7,49.3 46.1,49.3 46.1,53.691 50.659,58.25

## Keep-outs
Top Layer:
  lines w0.2: 33.2,31.8 33.8,31.2 34.3,31.2 36.4,29.1 36.4,26.9 40.85,22.45 45.85,27.45 41.55,31.75 39.4,29.6 37.6,29.6 35.1,32.1 34.5,32.1 33.9,32.7
Bottom Layer:
  lines w0.2: 33.1,31.9 33.8,31.2 ; 34.2,33.1 34.2,33 37.6,29.6 39.4,29.6 41.55,31.75 45.85,27.45 40.85,22.45 36.4,26.9 36.4,29.1 34.3,31.2 33.8,31.2 ; 33.8,31.2 33.8,31.2
Keep-Out Layer:
  circle w0.1: c42.306,14.331 r3.25
  circle w0.1: c14.306,14.331 r3.25
  circle w0.1: c42.306,68.331 r3.25
  circle w0.1: c14.306,68.331 r3.25

## Silkscreen, mask and mechanical layers (free items; w line width, h text height)
Board outline:
  the board outline again, w0.3

## Text inside footprints (layer, text, board x,y; h text height)
D3: Top Overlay "K" at 27.249,19.246 h0.5